# Altium PCB 51control.PcbDoc
Units mil, origin at the board's own origin, x right, y up, seen from the top; angles counter-clockwise.
Board outline 6000 x 4000 mil, 2 copper layers (Top Layer, Bottom Layer); 35 components, 34 nets, 159 pads, 0 vias.
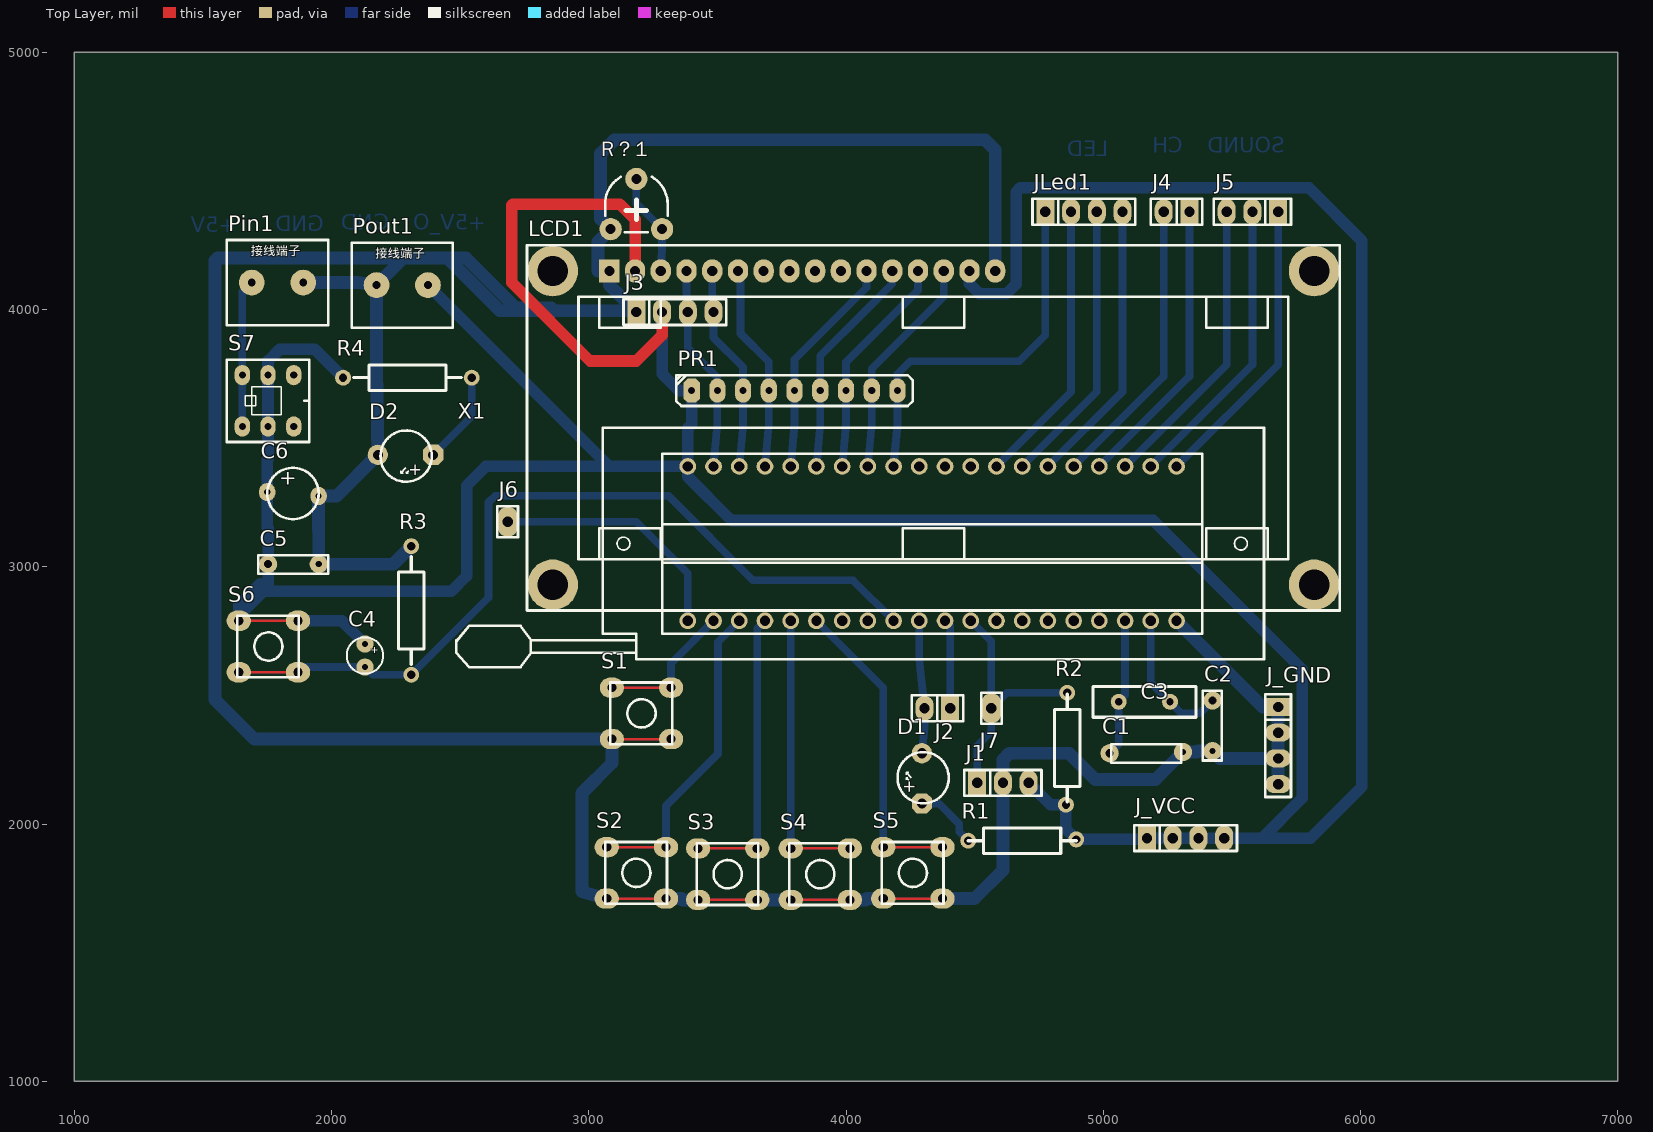
[diagram p0: Top Layer view]
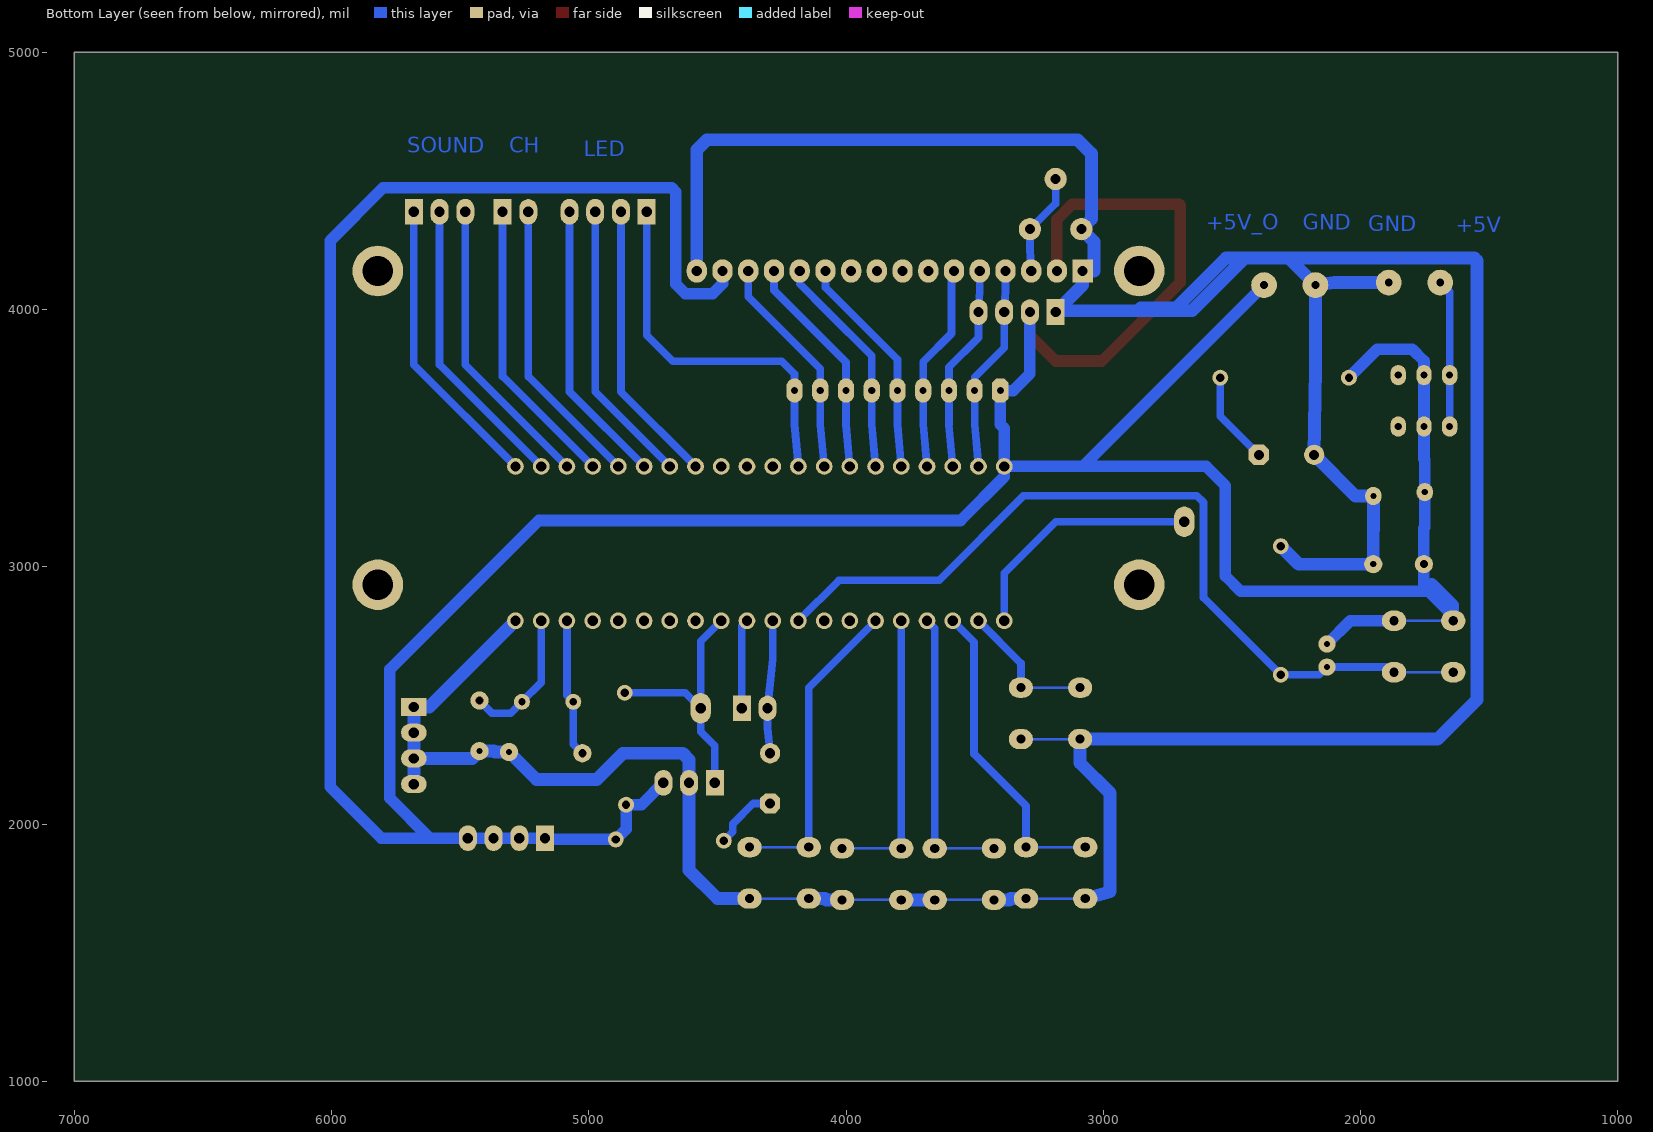
[diagram p1: Bottom Layer view, seen from below]

## Layer stack, top to bottom
Top Solder: solder mask 0.4, Solder Resist, Dk 3.5
Top Layer: signal copper 1.4
Dielectric 1: dielectric 12.6, FR-4, Dk 4.8
Bottom Layer: signal copper 1.4
Bottom Solder: solder mask 0.4, Solder Resist, Dk 3.5

## Board outline
1000,1000 7000,1000 7000,5000 1000,5000

## Design rules (kind name [scope] priority, off if disabled: settings)
Clearance [All] p1: gap=20
PolygonConnect [All] p1: connectstyle=Relief reliefconductorwidth=10 reliefentries=4 polygonreliefangle="90 Angle" airgapwidth=10
RoutingVias [All] p1: holewidth=28 width=50 viastyle="Through Hole" minholewidth=28 minwidth=50 maxholewidth=28 maxwidth=50
SolderMaskExpansion [All] p1: expansion=4
Width [All] p1: maxlimit=50 minlimit=40 preferedwidth=45
30 further rules are at their usual default settings.

## Components (designator, comment, footprint, x,y, rotation, side; value= is the part's Value field where it differs from the comment)
C1 "30pf" CAP2#1 5070,2275 r0 top
C2 "30pf" CAP2#2 5425,2480 r270 top
C3 "11.0592Mhz" XTAL1 5260,2475 r270 top
C4 "10uf" CAO1 2130,2655 r270 top
C5 "104" CAP2#2 1753.58,3010 r0 top
C6 "10uf" CAO2 1850,3285 r0 top
D1 "LED" LED2_B#1 4300,2180 r90 top
D2 "LED" LED2_B#2 2290,3430 r180 top
J1 "CON3" sip-3 4510,2160 r0 top
J2 "CON2" sip-2 4405,2450 r180 top
J3 "CON4" sip-4 3185,3990 r0 top
J4 "CON2" sip-2 5335,4380 r180 top
J5 "CON3" sip-3 5680,4380 r180 top
J6 "AD" SIP-1 2685,3175 r0 top
J7 "TEST" SIP-1 4565,2450 r180 top
J_GND "GND_TEST" sip-4 5680,2455 r270 top
J_VCC "VCC_TEST" sip-4 5170,1945 r0 top
JLed1 "CON4" sip-4 4775,4380 r0 top
LCD1 "1602" 1602 3080,4150 r0 top
Pin1 "接线端子" 接线端子 1790,4105 r0 top
Pout1 "接线端子" 接线端子 2275,4095 r0 top
PR1 "PRES1" RP1 3400,3685 r0 top
R1 "1k" AXIAL0.5#1 4935,1935 r180 top
R2 "1K" AXIAL0.5#2 4860,2545 r270 top
R3 "10k" AXIAL0.5#3 2310,3080 r270 top
R4 "1K" AXIAL0.5#3 2545,3735 r180 top
R？1 "RPOT-1" RVR-2 3185,4410 r180 top
S1 "SW-PB" SW6*6#1 3335,2340 r180 top
S2 "SW-PB" SW6*6#1 3315,1720 r180 top
S3 "SW-PB" SW6*6#2 3670,1715 r180 top
S4 "SW-PB" SW6*6#1 4030,1715 r180 top
S5 "SW-PB" SW6*6#1 4390,1720 r180 top
S6 "SW-PB" SW6*6#3 1884.39,2600 r180 top
S7 "SW-DPDT" SWH8*8 1853.15,3545 r180 top
X1 "STC89C52RC-DIP40" DIP-40SJ 4335,3090 r90 top

## Footprints (in the part's own frame and the unit in brackets; to place one, negate y for a bottom-side part, rotate by r counter-clockwise, add the part's x,y. Pads: shape width x height; smd on the part's side, far side on the other; paste and mask are expansions set on the pad)
1602 [mm]
  round 5 hole 3: 0(-5.588,-30.988) 0(-5.588,0) 0(69.596,-30.988) 0(69.596,0)
  rect 2x2.3 hole 1: 1(0,0)
  oval 2x2.3 hole 1: 2(2.54,0) 3(5.08,0) 4(7.62,0) 5(10.16,0) 6(12.7,0) 7(15.24,0) 8(17.78,0) 9(20.32,0) 10(22.86,0) 11(25.4,0) 12(27.94,0) 13(30.48,0) 14(33.02,0) 15(35.56,0) 16(38.1,0)
  silkscreen extent -8.13,-33.53 72.14,2.54
AXIAL0.5#1 [mil]
  round 62 hole 32: 1(40,-5) 2(460,0)
  silkscreen extent 40,-50 460,50
AXIAL0.5#2 [mil]
  round 62 hole 32: 1(35,0) 2(470,-5)
  silkscreen extent 40,-50 460,50
AXIAL0.5#3 [mil]
  round 62 hole 32: 1(0,0) 2(500,0)
  silkscreen extent 40,-50 460,50
CAO1 [mm]
  round 1.7 hole 0.6: 1(-1.143,0) 2(1.143,0)
  silkscreen extent -1.8,-1.8 1.8,1.8
CAO2 [mm]
  oval 1.6x1.8 hole 0.6: 1(-2.54,0.127) 2(2.54,-0.254)
  silkscreen extent -2.54,-2.54 2.54,2.54
CAP2#1 [mm]
  round 1.8 hole 0.8: 1(-1.143,0)
  round 1.8 hole 0.6: 2(6.096,0.127)
  silkscreen extent -0.98,-0.95 5.93,0.9
CAP2#2 [mm]
  round 1.8 hole 0.8: 1(0,0)
  round 1.8 hole 0.6: 2(5,0)
  silkscreen extent -0.98,-0.95 5.93,0.9
DIP-40SJ [mil]
  round 65 hole 40: 1(-300,950) 1(-300,950) 2(-300,850) 3(-300,750) 4(-300,650) 5(-300,550) 6(-300,450) 7(-300,350) 8(-300,250) 9(-300,150) 10(-300,50) 11(-300,-50) 12(-300,-150) 13(-300,-250) 14(-300,-350) 15(-300,-450) 16(-300,-550) 17(-300,-650) 18(-300,-750) 19(-300,-850) 20(-300,-950) 21(300,-950) 22(300,-850) 23(300,-750) 24(300,-650) 25(300,-550) 26(300,-450) 27(300,-350) 28(300,-250) 29(300,-150) 30(300,-50) 31(300,50) 32(300,150) 33(300,250) 34(300,350) 35(300,450) 36(300,550) 37(300,650) 38(300,750) 39(300,850) 40(300,950)
  silkscreen extent -480,-1290 450,1850
LED2_B#1 [mm] "5mm"
  oct 2x2 hole 1: 1(-2.54,0.127)
  round 2 hole 1: 2(2.413,0.127)
  silkscreen extent -2.53,-2.53 2.53,2.53, body extent -2.8,-2.91 2.55,2.79, height 8.85
LED2_B#2 [mm] "5mm"
  oct 2x2 hole 1: 1(-2.667,-0.127)
  round 2 hole 1: 2(2.794,-0.127)
  silkscreen extent -2.53,-2.53 2.53,2.53, body extent -2.8,-2.91 2.55,2.79, height 8.85
RP1 [mm]
  oct 1.6x2.4 hole 0.7: 1(0,0)
  oval 1.6x2.4 hole 0.7: 2(2.54,0) 3(5.08,0) 4(7.62,0) 5(10.16,0) 6(12.7,0) 7(15.24,0) 8(17.78,0) 9(20.32,0)
  silkscreen extent -1.52,-1.52 21.84,1.52
RVR-2 [mm]
  round 2.2 hole 1: 1(-2.54,2.476) 2(0,-2.476) 3(2.54,2.477)
  silkscreen extent -3.09,-2.68 3.09,2.79, body extent -3.2,-3.22 3.2,3.78, height 7.5
SIP-1 [mm]
  oval 2x3 hole 1.016: 1(0,0)
  silkscreen extent -1.02,-1.52 1.02,1.52
sip-2 [mil]
  rect 70x100 hole 40: 1(0,0)
  oval 70x98.42 hole 40: 2(100,0)
  silkscreen extent -50,-50 150,50
sip-3 [mil]
  rect 70x100 hole 40: 1(0,0)
  oval 70x100 hole 40: 2(100,0) 3(200,0)
  silkscreen extent -50,-50 250,50
sip-4 [mil]
  rect 70x100 hole 40: 1(0,0)
  oval 70x100 hole 40: 2(100,0) 3(200,0) 4(300,0)
  silkscreen extent -50,-50 350,50
SW6*6#1 [mm]
  oval 2.4x2 hole 0.9: 1(0.381,0.254) 1(6.223,0.254) 2(0.381,-4.826) 2(6.223,-4.826)
  Multi-Layer lines w0.254: 6.223,0.254 0.381,0.254 ; 6.223,-4.826 0.381,-4.826
  silkscreen extent 0.28,-5.34 6.38,0.76
SW6*6#2 [mm]
  oval 2.4x2 hole 0.9: 1(0.381,0.254) 1(6.223,0.254) 2(0.381,-4.826) 2(6.223,-4.826)
  Multi-Layer lines w0.254: 6.223,0.254 0.381,0.254 ; 2.159,-4.826 0.381,-4.826 2.159,-4.826 ; 2.159,-4.826 6.223,-4.826 2.159,-4.826
  silkscreen extent 0.28,-5.34 6.38,0.76
SW6*6#3 [mm]
  oval 2.4x2 hole 0.9: 1(0.381,0.254) 1(6.223,0.254) 2(0.381,-4.826) 2(6.223,-4.826)
  Multi-Layer lines w0.254: 6.223,-4.826 4.684,-4.826 0.381,-4.826 ; 6.223,0.254 0.381,0.254 6.223,0.254
  silkscreen extent 0.28,-5.34 6.38,0.76
SWH8*8 [mm]
  oval 1.524x2 hole 0.7: 1(0,0) 2(2.54,0) 3(5.08,0) 4(5.08,-5.08) 5(2.54,-5.08) 6(0,-5.08)
  silkscreen extent -1.52,-6.6 6.6,1.52
XTAL1 [mil]
  round 62 hole 28: 1(0,0) 2(0,-200)
  silkscreen extent -60,-300 60,100
接线端子 [mil]
  round 100 hole 30: 1(-100,0) 2(100,0)
  silkscreen extent -197,-165 197,165

## Part data
C1 C2 C5: library part CAP1
C3: library part CPY
C4 C6: library part CAP3
J1 J2 J3 J4 J5 JLed1: "Connector"
J6 J7: library part CON1, "Connector"
J_GND J_VCC: library part CON4, "Connector"
R1 R2 R3 R4: library part RES, "电阻"
R？1: "普通电位器"

## Nets (pads, with @x,y where several pads share a name; then routed paths per layer and width w, separated by ;. In a path a pad name is that pad's centre, name@x,y a point inside that pad or via, vN(x,y) a via of type N, cw(c..) or ccw(c..) an arc to the next point about the centre after c; other vN are vias at no path point)
A: J5.1 X1.21 | length 1153.6
  Bottom Layer w30: X1.21 5680,3785 5680,4319 J5.1
AA: J4.1 X1.24 | length 1135
  Bottom Layer w30: X1.24 5335,3740 J4.1
B: J5.2 X1.22 | length 1153.6
  Bottom Layer w30: X1.22 5580,3785 J5.2
BB: J4.2 X1.25 | length 1135
  Bottom Layer w30: X1.25 5235,3740 J4.2
C: J5.3 X1.23 | length 1153.6
  Bottom Layer w30: X1.23 5480,3785 J5.3
D4: LCD1.11 PR1.5 X1.36 | length 876.7
  Bottom Layer w30: X1.36 3800,3553 PR1.5 3800,3806 4050,4056 4080,4086 LCD1.11
D5: LCD1.12 PR1.6 X1.35 | length 876.7
  Bottom Layer w30: X1.35 3900,3553 PR1.6 3900,3820 4072,3992 4180,4100 LCD1.12
D6: LCD1.13 PR1.7 X1.34 | length 876.7
  Bottom Layer w30: X1.34 4000,3553 PR1.7 4000,3795 4280,4075 LCD1.13
D7: LCD1.14 PR1.8 X1.33 | length 876.7
  Bottom Layer w30: X1.33 4100,3553 PR1.8 4100,3770 4380,4050 LCD1.14
EN: LCD1.6 PR1.4 X1.37 | length 810.4
  Bottom Layer w30: LCD1.6 3590,4140 3590,3907 3700,3797 PR1.4 3700,3553 X1.37
GND: C1.2 C2.2 C5.2 C6.2 D2.2 J1.2 J3.1 J_GND.1 J_GND.2 J_GND.3 J_GND.4 LCD1.1 LCD1.16 Pin1.2 Pout1.1 R3.1 R？1.3 S1.1 S2.1 S3.1 S4.1 S5.1 X1.20 | length 14228
  Bottom Layer w50: Pin1.2 2101,4105 Pout1.1 ; R3.1 2240,3010 C5.2 1950.43,3142 1950,3142.43 C6.2 2020,3275 D2.2 2175,3770 Pout1.1 ; S2.1@3070,1710 2973,1737 2973,2120 3090,2237 3090,2330 1700,2330 1547,2483 1547,4190 1557,4200 2280,4200 ; S2.1@3300,1710 3360,1710 3365,1705 S3.1@3425,1705 ; S3.1@3655,1705 S4.1@3785,1705 ; S4.1@4015,1705 4077,1705 4082,1710 S5.1@4145,1710 ; S5.1@4375,1710 4500,1710 4610,1820 J1.2 4610,2250 4635,2275 4867,2275 4969,2173 5203,2173 C1.2 5365,2280 5368.15,2283.15 C2.2 5453.15,2255 J_GND.3 ; LCD1.16 4580,4620 4540,4660 3100,4660 3046,4606 3046,4351.5 R？1.3 3036,4263.5 3036,4150 LCD1.1 3080,4095 J3.1@3180,3995 ; X1.20 5620,2455 J_GND.1 J_GND.2 J_GND.3 ; J_GND.4 J_GND.3 ; Pout1.1 2280,4200 ; 2280,4200 2450,4200 ; 2450,4200 2655,3995 2865,3995 ; 2450,4200 2523,4200 2717,4006 2854,4006 2865,3995 ; 2865,3995 J3.1@3180,3995 ; J3.1@3180,3995 3185,3995 J3.1 J3.1@3180,3995
KEY1: S1.2 X1.2 | length 328.3
  Bottom Layer w30: S1.2@3320,2530 3320,2625 X1.2
KEY2: S2.2 X1.3 | length 998.1
  Bottom Layer w30: S2.2@3300,1910 3300,2070 3502,2272 3502,2707 X1.3
KEY3: S3.2 X1.4 | length 897.4
  Bottom Layer w30: S3.2@3655,1905 3655,2760 X1.4
KEY4: S4.2 X1.5 | length 885
  Bottom Layer w30: S4.2@3785,1905 X1.5
KEY5: S5.2 X1.6 | length 987.7
  Bottom Layer w30: X1.6 4145,2530 S5.2@4145,1910
LED1: JLed1.4 X1.26 | length 1110.1
  Bottom Layer w30: X1.26 5075,3680 JLed1.4
LED2: JLed1.3 X1.27 | length 1110.1
  Bottom Layer w30: X1.27 4975,3680 JLed1.3
LED3: JLed1.2 X1.28 | length 1110.1
  Bottom Layer w30: X1.28 4875,3680 JLed1.2
LED4: JLed1.1 PR1.9 X1.32 | length 1477.2
  Bottom Layer w30: X1.32 4200,3553 PR1.9 4200,3749 4250,3799 4674,3799 4775,3900 JLed1.1
NetC1_1: C1.1 C3.2 X1.18 | length 539.9
  Bottom Layer w30: C1.1 5060,2310 C3.2 5085,2500 X1.18
NetC2_1: C2.1 C3.1 X1.19 | length 549.6
  Bottom Layer w30: X1.19 5185,2550 C3.1 5304,2431 5376,2431 C2.1
NetD1_1: D1.1 R1.2 | length 257.6
  Bottom Layer w30: D1.1 4360,2080 4440,2000 4440,1970 R1.2
NetD2_1: D2.1 R4.1 | length 362.1
  Bottom Layer w30: D2.1 2545,3585 R4.1
NetJ6_1: J6.1 X1.1 | length 967.8
  Bottom Layer w30: J6.1 3185,3175 3385,2975 X1.1@3385,2790
NetLCD1_3: LCD1.3 R？1.1 R？1.2 | length 399.1
  Bottom Layer w30: R？1.2 3185,4412.5 R？1.1 3285,4236 LCD1.3
NetPin1_1: Pin1.1 S7.3 S7.4 | length 575.3
  Bottom Layer w30: S7.3 S7.4 1653.15,4068.15 Pin1.1
REMOTE: J1.1 J7.1 R2.1 X1.12 | length 1005.8
  Bottom Layer w30: X1.12 4565,2710 J7.1 ; J1.1 4510,2304 4565,2359 J7.1 ; R2.1 4625,2510 J7.1
RESET: C4.2 R3.2 S6.1 X1.9 | length 3054.4
  Bottom Layer w30: S6.1@1869.39,2590 1869.39,2610 C4.2 2160,2580 R3.2 2610,2880 2610,3250 2636,3276 3310,3276 3638,2948 4027,2948 X1.9
RS_SCL: J3.3 LCD1.4 PR1.2 X1.39 | length 808.5
  Bottom Layer w30: LCD1.4 3380,4075 J3.3 3385,3852 3500,3737 PR1.2 3500,3553 X1.39
RW_SDL: J3.4 LCD1.5 PR1.3 X1.38 | length 808.5
  Bottom Layer w30: LCD1.5 3480,4075 J3.4 3485,3891 3600,3776 PR1.3 3600,3553 X1.38
RXD: D1.2 J2.2 X1.10 | length 516.6
  Bottom Layer w30: X1.10 4285,2640 J2.2 4305,2373 D1.2
TXD: J2.1 X1.11 | length 348.3
  Bottom Layer w30: X1.11 4405,2770 4405,2620 J2.1
VCC: C4.1 C5.1 C6.1 J1.3 J3.2 J_VCC.1 J_VCC.2 J_VCC.3 J_VCC.4 LCD1.2 LCD1.15 Pout1.2 PR1.1 R1.1 R2.2 R4.2 S6.2 S7.2 S7.5 X1.40 | length 16683
  Top Layer w45: LCD1.2 3180,4350 3120,4410 2705,4410 2700,4405 2700,4105 3005,3800 3185,3800 3285,3900 J3.2
  Bottom Layer w45: S6.2@1869.39,2790 2040,2790 C4.1 ; R4.2 1935,3845 1798.15,3845 1753.15,3800 S7.5 S7.2 1753.15,3420.15 1750,3417 C6.1 1750,3153.58 1753.58,3150 C5.1 1753.58,2904 ; Pout1.2 3080,3390 ; J3.2 3285,3750 3350,3685 PR1.1 3400,3553 3385,3538 X1.40 ; LCD1.15 4480,4100 4518,4062 4625,4062 4662,4099 4662,4457 4678,4473 5800,4473 6005,4268 6005,2144 5806,1945 5618,1945 ; J1.3 4795,2075 R2.2 4855,1980 R1.1 5170,1940 J_VCC.1 J_VCC.2 J_VCC.3 J_VCC.4 5618,1945 ; 1753.58,2904 1723.49,2934.09 1639.39,2850 1639.39,2790 1639.39,2809.39 1734,2904 1753.58,2904 ; 1753.58,2904 2465,2904 2525,2964 2525,3315 2600,3390 3080,3390 ; 3080,3390 X1.40 ; X1.40 3385,3350 3555,3180 5195,3180 5773,2602 5773,2100 5618,1945
pads on no net: LCD1.0 LCD1.7 LCD1.8 LCD1.9 LCD1.10 S7.1 S7.6 X1.7 X1.8 X1.13 X1.14 X1.15 X1.16 X1.17 X1.29 X1.30 X1.31

## Other copper
Bottom Layer:
  text "CH" at 5310,4610 h60
  text "SOUND" at 5705,4610 h60
  text "LED" at 5020,4595 h60
  text "GND" at 2225,4310 h60
  text "+5V_O" at 2600,4310 h60
  text "GND" at 1970,4305 h60
  text "+5V" at 1630,4300 h60

## Text inside footprints (layer, text, board x,y; h text height)
C4: Top Overlay "+" at 2156.57,2691.42 h27.56 r270
C6: Top Overlay "+" at 1795.87,3318.47 h60
D1: Top Overlay "+" at 4267,2118 h47.24 r90
D2: Top Overlay "+" at 2352,3397 h47.24 r180